# Altium PCB S3220A.PcbDoc (part 1 of 3) (continued)
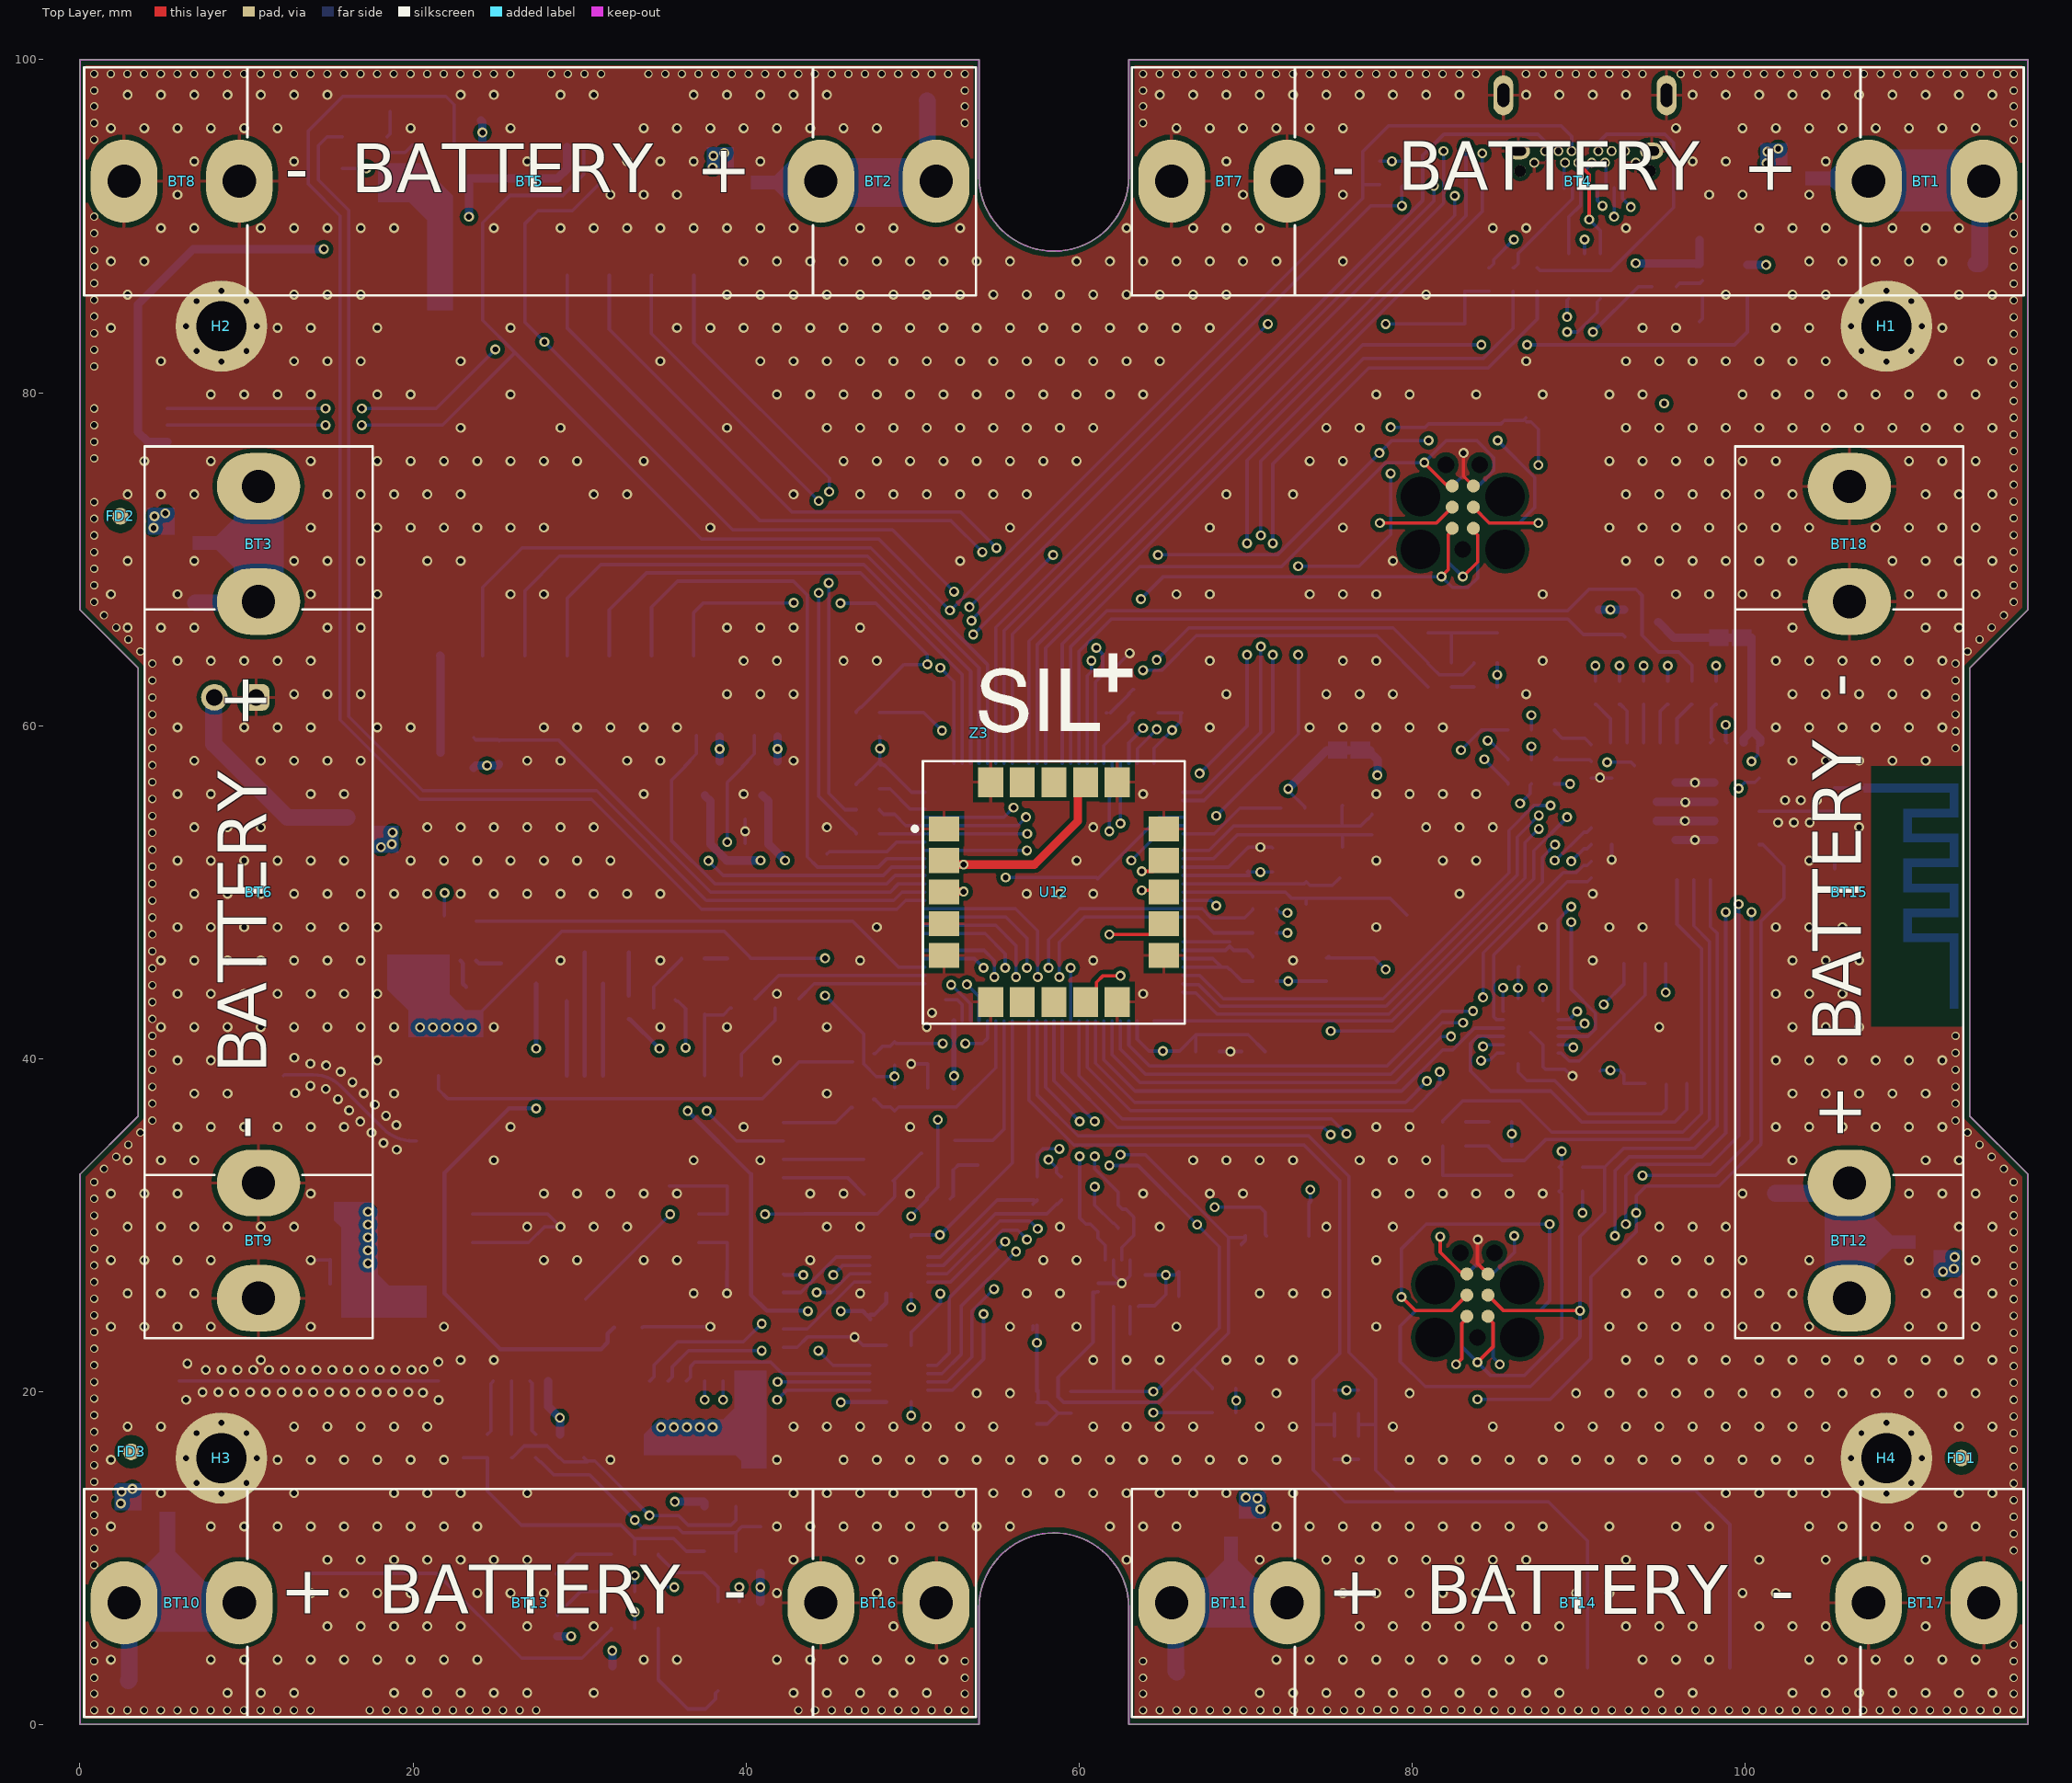
[diagram p0: Top Layer view]
## Classes and differential pairs
component class S3220A3: C29 C30 C31 C32 C33 C34 C35 C36 C37 C38 C39 C40 C41 C42 C43 C44 C45 C46 C47 C48 CN8 CN9 CN10 D2 D3 Q10 Q11 Q12 Q13 Q14 Q15 R30 R31 R32 R33 R34 R35 R36 R37 R38 R39 R40 R41 R42 R43 R44 R45 R46 R47 R48 R49 TP7 TP8 TP9 TP10 TP11 TP12 TP13 U5 U6 U7 U8 U9 U10
component class S3220A2: C11 C12 C13 C14 C15 C16 C17 C18 C19 C20 C21 C22 C23 C24 C25 C26 C27 C28 CN7 D1 FB1 M1 PB1 PB2 Q9 R13 R14 R15 R16 R17 R18 R19 R20 R21 R22 R23 R24 R25 R26 R27 R28 R29 TP4 TP5 TP6 U3 U4 Y1 Y2 Z1
component class S3220A4: AN1 C49 C50 C51 C52 C53 C54 C55 C56 C57 C58 C59 C60 C61 CN11 CN12 D4 FD1 FD2 FD3 H1 H2 H3 H4 MH1 P1 PB3 PB4 Q16 Q17 Q18 R50 R51 R52 R53 R54 R55 R56 R57 R58 R59 R60 R61 R62 R63 R64 R65 R66 R67 R68 R69 R70 R71 R72 R73 R74 U11 U12 U13 U14 U15 U16 U17 Z2 Z3 Z4
component class S3220A1: BT1 BT2 BT3 BT4 BT5 BT6 BT7 BT8 BT9 BT10 BT11 BT12 BT13 BT14 BT15 BT16 BT17 BT18 C1 C2 C3 C4 C5 C6 C7 C8 C9 C10 CN1 CN2 CN3 CN4 CN5 CN6 Q1 Q2 Q3 Q4 Q5 Q6 Q7 Q8 R1 R2 R3 R4 R5 R6 R7 R8 R9 R10 R11 R12 TP1 TP2 TP3 U1 U2

## Components (designator, comment, footprint, x,y, rotation, side; value= is the part's Value field where it differs from the comment)
AN1 "2.4GHz" AN_2400-PCB-B 107.425,56.25 r270 bottom locked
BT1 "AA clip" BT_AA-TH-CLIP 111.85,92.7 r180 top locked
BT2 "AA clip" BT_AA-TH-CLIP 48.925,92.7 r180 top locked
BT3 "AA clip" BT_AA-TH-CLIP 10.725,71.875 r270 top locked
BT4 "AA battery" BT_AA-battery 89.975,92.7 r180 top locked
BT5 "AA battery" BT_AA-battery 27,92.7 r180 top locked
BT6 "AA battery" BT_AA-battery 10.725,50 r270 top locked
BT7 "AA clip" BT_AA-TH-CLIP 68.075,92.7 r0 top locked
BT8 "AA clip" BT_AA-TH-CLIP 5.15,92.7 r0 top locked
BT9 "AA clip" BT_AA-TH-CLIP 10.725,28.1 r90 top locked
BT10 "AA clip" BT_AA-TH-CLIP 5.15,7.3 r0 top locked
BT11 "AA clip" BT_AA-TH-CLIP 68.075,7.3 r0 top locked
BT12 "AA clip" BT_AA-TH-CLIP 106.275,28.1 r90 top locked
BT13 "AA battery" BT_AA-battery 27.025,7.3 r0 top locked
BT14 "AA battery" BT_AA-battery 89.975,7.3 r0 top locked
BT15 "AA battery" BT_AA-battery 106.275,50 r90 top locked
BT16 "AA clip" BT_AA-TH-CLIP 48.925,7.3 r180 top locked
BT17 "AA clip" BT_AA-TH-CLIP 111.85,7.3 r180 top locked
BT18 "AA clip" BT_AA-TH-CLIP 106.275,71.875 r270 top locked
C1 "220uF_6.3V" C_1206 113.875,86.225 r90 bottom value=220uF
C2 "220uF_6.3V" C_1206 49.375,97.55 r0 bottom value=220uF
C3 "220uF_6.3V" C_1206 5.475,67.325 r0 bottom value=220uF
C4 "220uF_6.3V" C_1206 4.45,2.625 r180 bottom value=220uF
C5 "220uF_6.3V" C_1206 67.375,3.15 r180 bottom value=220uF
C6 "220uF_6.3V" C_1206 101.825,30.4 r90 bottom value=220uF
C7 "100nF_50V" C_0603 97.975,84.275 r180 bottom value=100nF
C8 "22uF_6.3V" C_0603 97.975,89.175 r180 bottom value=22uF
C9 "100nF_50V" C_0603 76.8,16.625 r90 bottom value=100nF
C10 "100nF_50V" C_0603 75.35,16.625 r90 bottom value=100nF
C11 "100nF_50V" C_0603 86.85,79.2 r270 bottom value=100nF
C12 "18pF_50V" C_0603 73.65,51.325 r270 bottom value=18pF
C13 "18pF_50V" C_0603 73.65,48.575 r90 bottom value=18pF
C14 "12pF_50V" C_0603 78.3,54.675 r180 bottom value=12pF
C15 "12pF_50V" C_0603 78.3,53.225 r180 bottom value=12pF
C16 "100nF_50V" C_0603 69.05,46.05 r270 bottom value=100nF
C17 "100nF_50V" C_0603 70.175,51.95 r270 bottom value=100nF
C18 "10uF_10V" C_0603 71.625,51.95 r270 bottom value=10uF
C19 "100nF_50V" C_0603 67.725,40.425 r180 bottom value=100nF
C20 "10uF_10V" C_0603 70.475,40.425 r0 bottom value=10uF
C21 "100nF_50V" C_0603 51.625,38.225 r0 bottom value=100nF
C22 "10uF_10V" C_0603 51.625,39.675 r0 bottom value=10uF
C23 "100nF_50V" C_0603 47.325,59.35 r0 bottom value=100nF
C24 "10uF_10V" C_0603 47.325,57.9 r0 bottom value=10uF
C25 "100nF_50V" C_0603 64.75,61.475 r270 bottom value=100nF
C26 "10uF_10V" C_0603 66.2,61.475 r270 bottom value=10uF
C27 "100nF_50V" C_0603 17.925,96.875 r0 bottom value=100nF
C28 "22uF_6.3V" C_0603 17.925,91.975 r0 bottom value=22uF
C29 "100nF_50V" C_0603 31.975,2.8 r90 bottom value=100nF
C30 "100nF_50V" C_0603 40.9,9.825 r270 bottom value=100nF
C31 "220uF_6.3V" C_1206 16.075,32.325 r270 bottom value=220uF
C32 "22uF_6.3V" C_0603 15.725,25.025 r0 bottom value=22uF
C33 "1uF_50V" C_0603 15.725,26.475 r180 bottom value=1uF
C34 "100nF_50V" C_0603 15.725,27.925 r0 bottom value=100nF
C35 "33pF_50V" C_0603 15.725,29.375 r0 bottom value=33pF
C36 "33pF_50V" C_0603 30.275,16.725 r270 bottom value=33pF
C37 "33pF_50V" C_0603 23.025,16.725 r270 bottom value=33pF
C38 "33pF_50V" C_0603 40.9,12.575 r270 bottom value=33pF
C39 "220uF_6.3V" C_1206 41.875,16.3 r180 bottom value=220uF
C40 "22uF_6.3V" C_0603 38.925,15.95 r90 bottom value=22uF
C41 "1uF_50V" C_0603 37.475,15.95 r270 bottom value=1uF
C42 "100nF_50V" C_0603 36.025,15.95 r90 bottom value=100nF
C43 "33pF_50V" C_0603 34.575,15.95 r90 bottom value=33pF
C44 "100nF_50V" C_0603 48.175,24.325 r0 bottom value=100nF
C45 "100nF_50V" C_0603 18.95,46.4 r90 bottom value=100nF
C46 "100nF_50V" C_0603 37.525,43.375 r270 bottom value=100nF
C47 "100nF_50V" C_0603 25.3,46.4 r270 bottom value=100nF
C48 "22uF_6.3V" C_0603 20.4,46.4 r270 bottom value=22uF
C49 "1.5pF_50V" C_0603 106.85,55.55 r90 bottom value=1.5pF
C50 "100nF_50V" C_0603 40.65,54.375 r0 bottom value=100nF
C51 "10uF_10V" C_0603 40.65,52.925 r0 bottom value=10uF
C52 "100nF_50V" C_0603 37.175,54.375 r0 bottom value=100nF
C53 "100nF_50V" C_0603 101.1,62.775 r180 bottom value=100nF
C54 "10uF_10V" C_0603 101.1,61.325 r180 bottom value=10uF
C55 "100nF_50V" C_0603 58.175,23.95 r0 bottom value=100nF
C56 "100nF_50V" C_0603 73.2,31.35 r0 bottom value=100nF
C57 "100nF_50V" C_0603 66.7,25.725 r0 bottom value=100nF
C58 "100nF_50V" C_0603 87.125,45.525 r0 bottom value=100nF
C59 "100nF_50V" C_0603 91.1,38.625 r90 bottom value=100nF
C60 "10uF_10V" C_0603 66.7,27.2 r180 bottom value=10uF
C61 "100nF_50V" C_0603 63.776,23.45 r0 bottom value=100nF
CN1 "S2B-XH" CN_S2B-XH-A 9.325,61.7 r180 bottom
CN2 "USB-C" CN_USB-C-RA_2 90.4,97.5 r0 bottom locked
CN3 "QWIIC" CN_SM04B-SRSS-TB 29.75,96.525 r180 bottom locked
CN4 "QWIIC" CN_SM04B-SRSS-TB 3.475,77.55 r270 bottom locked
CN5 "S2B-PH-SM4" CN_S2B-PH-SM4 100.1,6.1 r180 bottom locked
CN6 "S2B-PH-SM4" CN_S2B-PH-SM4 91.55,6.1 r180 bottom locked
CN7 "TC2030_MCP" CN_TC2030-MCP-NL 83.06,70.585 r90 bottom value=TC2030
CN8 "uFL" CN_RF_uFL 10.725,38.975 r270 bottom
CN9 "uFL" CN_RF_uFL 4.45,20.575 r270 bottom
CN10 "MicroSIM" CN_MicroSIM-Holder 28.675,7.875 r180 bottom locked
CN11 "uFL" CN_RF_uFL 105.4,49.9 r0 bottom
CN12 "TC2030_MCP" CN_TC2030-MCP-NL 83.935,23.25 r90 bottom value=TC2030
D1 "LED_Red" LED_0603 81.675,62.325 r180 bottom value=LED
D2 "TVS_15V" D_0603 26.7,42.475 r0 bottom value=TVS
D3 "LED_Red" LED_0603 39.575,46.025 r180 bottom value=LED
D4 "LED_Red" LED_0603 82.55,36.2 r180 bottom value=LED
FB1 "68R_1A" L_0603 71.15,44.65 r0 bottom value=68R
FD1 "Fiducial" FD_Fiducial 113,16 r90 top
FD2 "Fiducial" FD_Fiducial 2.425,72.575 r90 top
FD3 "Fiducial" FD_Fiducial 3.075,16.375 r0 top
H1 "3mm" H_3M_55M 108.5,84 r0 top locked
H2 "3mm" H_3M_55M 8.5,84 r0 top locked
H3 "3mm" H_3M_55M 8.5,16 r0 top
H4 "3mm" H_3M_55M 108.5,16 r0 top locked
M1 "M300_socket" M_M300_socket 13.89,62.715 r90 bottom locked value=M300
MH1 "WP11-15" MH_WP11-15 -11.5,0 r0 top locked
PB1 "SPST" PB_PTS810 83.075,79.2 r180 bottom
PB2 "SPST" PB_PTS810 83.05,66.65 r0 bottom
PB3 "SPST" PB_PTS810 83.925,31.9 r180 bottom
PB4 "SPST" PB_PTS810 83.925,19.225 r0 bottom
Q1 "PMV65XPEAR" U_SOT23-3 104.075,92.875 r90 bottom
Q2 "PMV65XPEAR" U_SOT23-3 40.8,92.625 r90 bottom
Q3 "PMV65XPEAR" U_SOT23-3 7.225,70.975 r90 bottom
Q4 "PMV65XPEAR" U_SOT23-3 15.975,54.475 r270 bottom
Q5 "PMV65XPEAR" U_SOT23-3 5.25,12.375 r90 bottom
Q6 "PMV65XPEAR" U_SOT23-3 69.125,10.825 r0 bottom
Q7 "PMV65XPEAR" U_SOT23-3 109.8,28.975 r270 bottom
Q8 "PMV65XPEAR" U_SOT23-3 23.375,92.875 r0 bottom
Q9 "PMV65XPEAR" U_SOT23-3 21.65,58.375 r270 bottom
Q10 "DTC143" Q_SOT-416 35.1,43.025 r270 bottom
Q11 "DTC143" Q_SOT-416 47.025,37.55 r90 bottom
Q12 "DTC143" Q_SOT-416 39.775,43.025 r270 bottom
Q13 "DTC143" Q_SOT-416 47.05,40.3 r90 bottom
Q14 "DTC143" Q_SOT-416 42.4,43.025 r270 bottom
Q15 "PMV65XPEAR" U_SOT23-3 50.55,34.3 r270 bottom
Q16 "PMV65XPEAR" U_SOT23-3 41,55.85 r0 bottom
Q17 "PMV65XPEAR" U_SOT23-3 37.525,55.85 r0 bottom
Q18 "PMV65XPEAR" U_SOT23-3 94.8,66.225 r90 bottom
R1 "0" R_0603 94.425,87.075 r270 bottom
R2 "68" R_0603 95.875,87.075 r270 bottom
R3 "1M" R_0603 74.875,45.35 r270 bottom
R4 "1M" R_0603 76.325,45.35 r90 bottom
R5 "1M" R_0603 23.375,96.35 r0 bottom
R6 "10k" R_0603 79.525,93.2 r90 bottom
R7 "10k" R_0603 78.075,93.2 r90 bottom
R8 "1M" R_0603 76.8,19.375 r90 bottom
R9 "1M" R_0603 75.35,19.375 r90 bottom
R10 "1M" R_0603 84.625,86.8 r90 bottom
R11 "68" R_0603 47.325,60.8 r180 bottom
R12 "1M" R_0603 83.175,86.8 r270 bottom
R13 "68" R_0603 86.475,56.5 r180 bottom
R14 "68" R_0603 86.475,59.75 r180 bottom
R15 "68" R_0603 86.475,57.95 r180 bottom
R16 "1k" R_0603 86.075,86.8 r270 bottom
R17 "1k" R_0603 87.525,86.8 r270 bottom
R18 "0" R_0603 47.325,56.45 r180 bottom
R19 "1k" R_0603 63.3,61.475 r270 bottom
R20 "0" R_0603 71.15,46.1 r180 bottom
R21 "10k" R_0603 61.85,61.475 r270 bottom
R22 "0" R_0603 72.875,55.05 r180 bottom
R23 "1M" R_0603 84.425,63.775 r180 bottom
R24 "68" R_0603 84.425,62.325 r0 bottom
R25 "1k" R_0603 81.675,63.775 r180 bottom
R26 "1M" R_0603 25.175,58.375 r270 bottom
R27 "68" R_0603 47.325,54.95 r0 bottom
R28 "68" R_0603 20.025,94.175 r90 bottom
R29 "68" R_0603 47.325,53.5 r0 bottom
R30 "0" R_0603 34.025,7.975 r180 bottom
R31 "0" R_0603 34.025,10.225 r180 bottom
R32 "0" R_0603 34.025,5.775 r180 bottom
R33 "0" R_0603 32.625,7.975 r180 bottom
R34 "0" R_0603 32.625,10.225 r180 bottom
R35 "22" R_0603 24.475,16.725 r270 bottom
R36 "22" R_0603 25.925,16.725 r270 bottom
R37 "0" R_0603 32.625,5.775 r180 bottom
R38 "22" R_0603 27.375,16.725 r270 bottom
R39 "15k" R_0603 28.825,16.725 r270 bottom
R40 "10k" R_0603 32.975,43.075 r90 bottom
R41 "68" R_0603 36.825,46.025 r0 bottom
R42 "0" R_0603 58.95,32.2 r90 bottom
R43 "0" R_0603 57.5,32.2 r90 bottom
R44 "10k" R_0603 48.925,37.55 r270 bottom
R45 "5k6" R_0603 51.575,31.575 r180 bottom
R46 "1M" R_0603 53.925,34.3 r270 bottom
R47 "10k" R_0603 48.925,40.3 r90 bottom
R48 "68" R_0603 22.5,44.3 r180 bottom
R49 "10k" R_0603 48.925,33.3 r90 bottom
R50 "0" R_0603 105.4,55.55 r270 bottom
R51 "0" R_0603 105.4,54.15 r270 bottom
R52 "1M" R_0603 41.2,59.4 r0 bottom
R53 "1M" R_0603 37.725,59.4 r0 bottom
R54 "68" R_0603 91.025,61.975 r270 bottom
R55 "68" R_0603 92.475,61.975 r270 bottom
R56 "1M" R_0603 91.075,66.175 r90 bottom
R57 "68" R_0603 93.925,61.975 r270 bottom
R58 "68" R_0603 95.375,61.975 r270 bottom
R59 "68" R_0603 96.825,61.975 r270 bottom
R60 "68" R_0603 98.275,61.975 r270 bottom
R61 "1M" R_0603 85.3,34.75 r180 bottom
R62 "68" R_0603 85.3,36.2 r0 bottom
R63 "0" R_0603 71.15,49 r180 bottom
R64 "0" R_0603 71.15,47.55 r180 bottom
R65 "1k" R_0603 82.55,34.75 r0 bottom
R66 "10k" R_0603 89.55,33.475 r180 bottom
R67 "100k" R_0603 89.55,32.025 r180 bottom
R68 "68" R_0603 87.875,56.5 r0 bottom
R69 "68" R_0603 87.875,59.75 r0 bottom
R70 "68" R_0603 87.875,57.95 r0 bottom
R71 "1M" R_0603 61.65,31.25 r0 bottom
R72 "10k" R_0603 68.725,18.725 r0 bottom
R73 "10k" R_0603 68.725,20.175 r0 bottom
R74 "1M" R_0603 61.65,29.8 r180 bottom
TP1 "Test point" TP_SMD_R1.0mm 95.15,79.35 r180 bottom
TP2 "Test point" TP_SMD_R1.0mm 78.425,45.35 r270 bottom
TP3 "Test point" TP_SMD_R1.0mm 83.175,84.125 r180 bottom
TP4 "Test point" TP_SMD_R1.0mm 43.675,54 r180 bottom
TP5 "Test point" TP_SMD_R1.0mm 44.875,52.45 r180 bottom
TP6 "Test point" TP_SMD_R1.0mm 70.4,55.05 r90 bottom
TP7 "Test point" TP_SMD_R1.0mm 32.975,46.375 r0 bottom
TP8 "Test point" TP_SMD_R1.0mm 27.4,44.5 r0 bottom
TP9 "Test point" TP_SMD_R1.0mm 29.225,43.425 r180 bottom
TP10 "Test point" TP_SMD_R1.0mm 30.325,46.4 r180 bottom
TP11 "Test point" TP_SMD_R1.0mm 31.425,44.5 r180 bottom
TP12 "Test point" TP_SMD_R1.0mm 47.075,34.05 r180 bottom
TP13 "Test point" TP_SMD_R1.0mm 47.075,31.85 r180 bottom
U1 "USBLC6" U_SOT23-6 90.375,87 r180 bottom
U2 "TPS22917" U_SOT23-6 98.8,86.725 r270 bottom
U3 "STM32L476VGT6" U_100-LQFP 58.5,50 r180 bottom locked
U4 "TPS22917" U_SOT23-6 17.1,94.425 r90 bottom
U5 "eSIM" U_MFF2 38.983,4.692 r90 bottom
U6 "SRV05-4HTG" U_SOT23-6 38.45,11.75 r0 bottom
U7 "BG95-M3" U_BG96_BG95 31.225,29.8 r270 bottom
U8 "TXB0104" U_14-VQFN 49.175,21.075 r0 bottom
U9 "TXB0104" U_14-VQFN 49.175,27.575 r0 bottom
U10 "TPS22917" U_SOT23-6 22.85,47.225 r0 bottom
U11 "NINA-B301" U_NINA-B301 95.925,54.85 r0 bottom
U12 "SAM-M8Q" U_SAM-M8Q 58.5,50 r0 top locked
U13 "M24C32" U_8-SOIC_3.9 71.9,26.7 r90 bottom
U14 "BME280" U_BME280 58.5,19.025 r0 bottom
U15 "MMA8452" U_16-QFN-5X3 62.575,26.5 r90 bottom
U16 "TS3A5018" U_16-VFQFN 87.125,41.575 r180 bottom
U17 "W25Q32" U_8-SOIC_5.3 94.625,42.1 r270 bottom
Y1 "8MHz" Y_ABMM2 77.875,49.65 r270 bottom
Y2 "32.768kHz" Y_XTAL-3215 75.825,53.95 r270 bottom
Z1 "I sense" Z_I_SENSE 76.225,58.525 r180 bottom
Z2 "I sense" Z_I_SENSE 99.125,65.275 r0 bottom
Z3 "SIL logo" Z_SIL-logo 54,59.55 r0 top
Z4 "SIL logo" Z_SIL-logo 71.975,34.925 r180 bottom

## Footprints (in the part's own frame and the unit in brackets; to place one, negate y for a bottom-side part, rotate by r counter-clockwise, add the part's x,y. Pads: shape width x height; smd on the part's side, far side on the other; paste and mask are expansions set on the pad)
AN_2400-PCB-B [mm]
  round 0.5 smd mask+0: 1(0,0)
  Top Layer region: 1.75,-5.4 -0.25,-5.4 -0.25,0.275 0.25,0.275 0.25,-4.9 1.25,-4.9 1.25,-2.1 3.25,-2.1 3.25,-4.9 4.25,-4.9 4.25,-2.1 6.25,-2.1 6.25,-4.9 7.25,-4.9 7.25,-2.1 9.25,-2.1 9.25,-4.9 13.25,-4.9 13.25,-5.4 8.75,-5.4 8.75,-2.6 7.75,-2.6 7.75,-5.4 5.75,-5.4 5.75,-2.6 4.75,-2.6 4.75,-5.4 2.75,-5.4 2.75,-2.6 1.75,-2.6
  Multi-Layer pour cut-out: -1.325,-5.55 14.35,-5.55 14.35,-0.15 -1.325,-0.15
  silkscreen extent -1.05,-5.3 14.05,-0.45
BT_AA-battery [mm] "AA battery"
  body extent -25.14,-7.11 25.15,7.11, height 15.11
BT_AA-TH-CLIP [mm] "AA battery clip through hole"
  oval 4x5 hole 2: 1(-2.5,0) 1(4.425,0)
  silkscreen extent -4.9,-6.85 48.68,6.85, body extent -4.77,-6.73 4.76,6.73, height 15.13
C_0603 [mm]
  rect 0.7x0.8 smd: 1(-0.7,0) 2(0.7,0)
  silkscreen extent -1.22,-0.58 1.22,0.58, body extent -0.8,-0.43 0.8,0.43, height 0.8
C_1206 [mm]
  rect 1.1x1.6 smd: 1(-1.5,0) 2(1.5,0)
  silkscreen extent -0.77,-0.87 0.77,0.87, body extent -1.6,-0.85 1.6,0.85, height 1.7
CN_MicroSIM-Holder [mm] "CONN MICRO SIM CARD"
  rect 0.95x1.2 smd: 0(-0.125,-5.425) 0(-0.125,5.425)
  rect 1.4x0.95 smd: 0(13.075,-6.25) 0(13.075,6.25)
  rect 0.8x0.9 smd: C1(0,-2.575) C2(0,-1.325) C3(0,1.2) C5(14.95,-2.575) C6(14.95,-1.325) C7(14.95,1.2)
  silkscreen extent -1.88,-7.05 15.33,7.05, body extent -1.75,-6.92 15.21,6.93, height 1.5
CN_RF_uFL [mm] "Antenna connector 50 Ohm"
  rect 1x2.2 smd: G(-1.45,0) G(1.45,0)
  rect 1x1 smd: S(0,-1.5)
  Top Layer pour cut-out: -0.95,1.55 -0.95,-1.55 0.95,-1.55 0.95,1.55
  silkscreen extent -1.5,-1.55 1.5,1.55, body extent -1.5,-1.55 1.5,1.55, height 1.25
CN_S2B-PH-SM4 [mm] "HEADER PH SIDE 2POS 2MM"
  rect 1.5x3.4 smd: 0(-3.35,2.7) 0(3.35,2.7)
  rect 1.2x3.6 smd: 1(1,-2.7) 2(-1,-2.7)
  silkscreen extent -3.95,-4.67 3.95,4.4, body extent -3.95,-4.35 3.95,4.25, height 5.61
CN_S2B-XH-A [mm] "CONN HEADER XH SIDE 2POS 2.5MM"
  rrect50% 1.6x1.6 hole 1: 1(-1.25,0)
  round 1.6 hole 1: 2(1.25,0)
  silkscreen extent -3.85,-9.33 3.85,2.5, body extent -3.7,-9.15 3.7,2.35, height 5.95
CN_SM04B-SRSS-TB [mm] "HEADER SH SIDE 4POS 1.0MM"
  rect 1.2x1.8 smd: 0(-2.8,2.1) 0(2.8,2.1)
  rect 0.6x1.55 smd: 1(1.5,-1.775) 2(0.5,-1.775) 3(-0.5,-1.775) 4(-1.5,-1.775)
  silkscreen extent -3.13,-2.27 3.13,2.93, body extent -3,-2.15 3,2.8, height 3.25
CN_TC2030-MCP-NL [mm] "TC2030-MCP-NL with holes for clips"
  round 0 hole 2.375 unplated: 0(0,-2.54) 0(0,2.54) 0(3.175,-2.54) 0(3.175,2.54)
  round 0 hole 1 unplated: 0(0,0) 0(5.08,-1.016) 0(5.08,1.016)
  round 0.787 smd paste-0.4: 1(1.27,-0.635) 2(1.27,0.635) 3(2.54,-0.635) 4(2.54,0.635) 5(3.81,-0.635)
  round 0.787 smd far side paste-0.4: 1(1.27,0.635) 2(1.27,-0.635) 3(2.54,0.635) 4(2.54,-0.635) 5(3.81,0.635)
  round 0.787 smd far side paste-0.4 mask+0.102: 6(3.81,-0.635)
  round 0.787 smd paste-0.4 mask+0.102: 6(3.81,0.635)
CN_USB-C-RA_2 [mm] "USB - C USB 3.1"
  rect 0.35x0.85 smd: A1(-2.752,5.21) A2(-2.252,5.21) A3(-1.752,5.21) A4(-1.252,5.21) A5(-0.752,5.21) A6(-0.252,5.21) A7(0.248,5.21) A8(0.748,5.21) A9(1.248,5.21) A10(1.748,5.21) A11(2.248,5.21) A12(2.748,5.21)
  round 0.6 hole 0.4: B1(3.048,3.685) B2(2.398,2.985) B3(1.598,2.985) B4(1.198,3.685) B5(0.798,2.985) B6(0.398,3.685) B7(-0.402,3.685) B8(-0.802,2.985) B9(-1.202,3.685) B10(-1.602,2.985) B11(-2.402,2.985) B12(-3.052,3.685)
  oval 1.2x2.4 hole 0.7 slot 1.4 at 90 deg: S1(-4.902,-0.365) S2(4.898,-0.365)
  oval 1.5x3 on Bottom Paste: S1(-4.902,-0.365) S2(4.898,-0.365)
  oval 1.4x1 hole 0.55 slot 0.9 at 0 deg: S3(-4.002,2.985) S4(3.998,2.985)
  oval 1.5x1.1 on Bottom Paste: S3(-4.002,2.985) S4(3.998,2.985)
  round 0.7 hole 0.7 unplated: ""(-3.902,4.185) ""(3.898,4.185)
  silkscreen extent -5.05,-2.06 5.05,4.89, body extent -5.05,-4.85 5.05,5.35, height 4.29
D_0603 [mm]
  rect 0.7x0.8 smd: 1(-0.7,0) 2(0.7,0)
  silkscreen extent -1.22,-0.58 1.22,0.58, body extent -0.9,-0.5 0.9,0.5, height 0.85
FD_Fiducial [mm] "Fiducial - reference point"
  round 1 smd paste-10 mask+0.5: 0(0,0)
  round 1 smd far side paste-10 mask+0.5: 0(0,0)
  Top Layer pour cut-out: 0,-1 -0.383,-0.924 -0.707,-0.707 -0.924,-0.383 -1,0 -1,0 -0.924,0.383 -0.707,0.707 -0.383,0.924 0,1 0,1 0.383,0.924 0.707,0.707 0.924,0.383 1,0 1,0 0.924,-0.383 0.707,-0.707 0.383,-0.924 0,-1
  Bottom Layer pour cut-out: 0,-1 -0.383,-0.924 -0.707,-0.707 -0.924,-0.383 -1,0 -1,0 -0.924,0.383 -0.707,0.707 -0.383,0.924 0,1 0,1 0.383,0.924 0.707,0.707 0.924,0.383 1,0 1,0 0.924,-0.383 0.707,-0.707 0.383,-0.924 0,-1
H_3M_55M [mm] "Hole 3mm, Pad 5.5mm"
  round 5.5 hole 3: 0(0,0)
  round 0.6 hole 0.35: ""(-2.125,0) ""(-1.5,-1.5) ""(-1.5,1.5) ""(0,-2.125) ""(0,2.125) ""(1.5,-1.5) ""(1.5,1.5) ""(2.125,0)
L_0603 [mm]
  rect 0.7x0.8 smd: 1(-0.7,0) 2(0.7,0)
  silkscreen extent -1.22,-0.58 1.22,0.58, body extent -0.8,-0.48 0.8,0.47, height 0.8
LED_0603 [mm]
  rect 0.7x0.8 smd: 1(-0.7,0) 2(0.7,0)
  silkscreen extent -1.22,-0.58 1.22,0.58, body extent -0.9,-0.5 0.9,0.5, height 0.85
M_M300_socket [mm] "Module M300 motherboard socket"
  rect 4.2x1.5 smd: 1(24.335,5.205) 2(24.335,7.745) 3(24.335,10.285) 4(24.335,12.825) 5(24.335,15.365) 6(24.335,17.905) 7(24.335,20.445) 8(24.335,22.985) 9(1.475,22.98) 10(1.475,20.445) 11(1.475,17.905) 12(1.475,15.365) 13(1.475,12.825) 14(1.475,10.285) 15(1.475,7.745) 16(1.475,5.205)
  silkscreen extent 0.2,0.2 25.6,60.2
MH_WP11-15 [mm] "Case Takachi WP11-15 Bottom"
PB_PTS810 [mm] "Tactile Switch SPST"
  rect 1.05x0.65 smd paste-0.025 mask+0.07: 1(-2.075,1.075) 1(2.075,1.075) 2(-2.075,-1.075) 2(2.075,-1.075)
  silkscreen extent -2.4,-1.7 2.37,1.7, body extent -2.3,-1.6 2.27,1.6, height 2.5
Q_SOT-416 [mm]
  rect 0.356x0.508 smd paste+0 mask+0.05: 1(-0.5,-0.65)
  rect 0.356x0.508 smd mask+0.05: 2(0.5,-0.65) 3(0,0.65)
  silkscreen extent -0.87,-0.87 0.87,0.87, body extent -0.8,-0.8 0.8,0.8, height 0.79
R_0603 [mm]
  rect 0.7x0.8 smd: 1(-0.7,0) 2(0.7,0)
  silkscreen extent -1.22,-0.58 1.22,0.58, body extent -0.8,-0.4 0.8,0.4, height 0.4
TP_SMD_R1.0mm [mm] "Test point SMD"
  round 1 smd paste-5: 1(0,0)
  silkscreen extent -0.6,-0.6 0.6,0.6
U_8-SOIC_3.9 [mm] "SOIC, 8-Leads, Body 4.9x3.9mm, Pitch 1.27mm, IPC Low Density"
  rrect50% 2.1x0.7 smd: 1(-2.65,1.905)
  rect 2.1x0.7 smd: 2(-2.65,0.635) 3(-2.65,-0.635) 4(-2.65,-1.905) 5(2.65,-1.905) 6(2.65,-0.635) 7(2.65,0.635) 8(2.65,1.905)
  silkscreen extent -1.2,-2.58 1.2,2.58, body extent -3,-2.45 3,2.45, height 1.63
U_8-SOIC_5.3 [mm] "SOIC, 8-Leads, Body 4.9x5.3mm, Pitch 1.27mm, IPC Low Density"
  rrect50% 2.1x0.7 smd: 1(-3.6,1.9)
  rect 2.1x0.7 smd: 2(-3.6,0.625) 3(-3.6,-0.625) 4(-3.6,-1.9) 5(3.6,-1.9) 6(3.6,-0.625) 7(3.6,0.625) 8(3.6,1.9)
  silkscreen extent -2.27,-2.5 2.27,2.5, body extent -3.95,-2.65 3.95,2.65, height 1.95
U_14-VQFN [mm] "14-VQFN 3.5x3.5"
  rect 2.14x2.14 smd paste-1.07 mask+0.07: 0(0.002,-0.001)
  oval 0.28x0.8 smd mask+0.07: 1(-0.75,1.7) 7(-0.75,-1.7) 8(0.75,-1.7) 14(0.75,1.7)
  oval 0.8x0.28 smd mask+0.07: 2(-1.75,1) 3(-1.748,0.499) 4(-1.748,-0.001) 5(-1.748,-0.501) 6(-1.748,-1.001) 9(1.752,-1.001) 10(1.752,-0.501) 11(1.752,-0.001) 12(1.752,0.499) 13(1.75,1)
  silkscreen extent -2.72,-2 2,2, body extent -1.88,-1.88 1.88,1.88, height 1
U_16-QFN-5X3 [mm] "16-QFN 5X3 3x3mm"
  rrect50% 1x0.3 smd: 1(-1.4,1.001) 2(-1.4,0.501) 3(-1.4,0.001) 4(-1.4,-0.499) 5(-1.4,-1) 9(1.4,-1) 10(1.4,-0.5) 11(1.4,0) 12(1.4,0.5) 13(1.4,1.001)
  rrect50% 0.3x1 smd: 6(-0.5,-1.4) 7(0,-1.4) 8(0.5,-1.4) 14(0.499,1.4) 15(-0.001,1.4) 16(-0.501,1.4)
  silkscreen extent -2.2,-1.63 1.63,1.63, body extent -1.5,-1.5 1.5,1.5, height 1.05
U_16-VFQFN [mm] "16-VQFN (4x4)"
  oval 0.24x0.6 smd paste+0 mask+0.051: 1(-0.756,1.908) 8(-0.756,-1.892) 9(0.744,-1.892) 16(0.744,1.908)
  oval 0.6x0.24 smd paste+0 mask+0.051: 2(-1.656,1.258) 3(-1.656,0.758) 4(-1.656,0.258) 5(-1.656,-0.242) 6(-1.656,-0.742) 7(-1.656,-1.242) 10(1.644,-1.242) 11(1.644,-0.742) 12(1.644,-0.242) 13(1.644,0.258) 14(1.644,0.758) 15(1.644,1.258)
  rect 2.05x2.55 smd paste-1.025 mask+0.051: 17(0,0)
  silkscreen extent -1.88,-2.12 1.88,2.55, body extent -1.75,-2 1.75,2, height 1
U_100-LQFP [mm] "100-LQFP"
  rect 1.475x0.3 smd: 1(-7.738,6) 2(-7.738,5.5) 3(-7.738,5) 4(-7.738,4.5) 5(-7.738,4) 6(-7.738,3.5) 7(-7.738,3) 8(-7.738,2.5) 9(-7.738,2) 10(-7.738,1.5) 11(-7.738,1) 12(-7.738,0.5) 13(-7.738,0) 14(-7.738,-0.5) 15(-7.738,-1) 16(-7.738,-1.5) 17(-7.738,-2) 18(-7.738,-2.5) 19(-7.738,-3) 20(-7.738,-3.5) 21(-7.738,-4) 22(-7.738,-4.5) 23(-7.738,-5) 24(-7.738,-5.5) 25(-7.738,-6) 51(7.738,-6) 52(7.738,-5.5) 53(7.738,-5) 54(7.738,-4.5) 55(7.738,-4) 56(7.738,-3.5) 57(7.738,-3) 58(7.738,-2.5) 59(7.738,-2) 60(7.738,-1.5) 61(7.738,-1) 62(7.738,-0.5) 63(7.738,0) 64(7.738,0.5) 65(7.738,1) 66(7.738,1.5) 67(7.738,2) 68(7.738,2.5) 69(7.738,3) 70(7.738,3.5) 71(7.738,4) 72(7.738,4.5) 73(7.738,5) 74(7.738,5.5) 75(7.738,6)
  rect 0.3x1.475 smd: 26(-6,-7.738) 27(-5.5,-7.738) 28(-5,-7.738) 29(-4.5,-7.738) 30(-4,-7.738) 31(-3.5,-7.738) 32(-3,-7.738) 33(-2.5,-7.738) 34(-2,-7.738) 35(-1.5,-7.738) 36(-1,-7.738) 37(-0.5,-7.738) 38(0,-7.738) 39(0.5,-7.738) 40(1,-7.738) 41(1.5,-7.738) 42(2,-7.738) 43(2.5,-7.738) 44(3,-7.738) 45(3.5,-7.738) 46(4,-7.738) 47(4.5,-7.738) 48(5,-7.738) 49(5.5,-7.738) 50(6,-7.738) 76(6,7.738) 77(5.5,7.738) 78(5,7.738) 79(4.5,7.738) 80(4,7.738) 81(3.5,7.738) 82(3,7.738) 83(2.5,7.738) 84(2,7.738) 85(1.5,7.738) 86(1,7.738) 87(0.5,7.738) 88(0,7.738) 89(-0.5,7.738) 90(-1,7.738) 91(-1.5,7.738) 92(-2,7.738) 93(-2.5,7.738) 94(-3,7.738) 95(-3.5,7.738) 96(-4,7.738) 97(-4.5,7.738) 98(-5,7.738) 99(-5.5,7.738) 100(-6,7.738)
  silkscreen extent -7.84,-6.65 6.65,6.73, body extent -8.07,-8.07 8.07,8.07, height 1.62
U_BG96_BG95 [mm]
  rect 1.15x0.7 smd mask+0.05: 1(-9.175,9.7) 2(-9.175,8.6) 3(-9.175,7.5) 4(-9.175,6.4) 5(-9.175,5.3) 6(-9.175,4.2) 7(-9.175,3.1) 8(-9.175,2) 9(-9.175,0.9) 10(-9.175,-0.2) 11(-9.175,-1.9) 12(-9.175,-3) 13(-9.175,-4.1) 14(-9.175,-5.2) 15(-9.175,-6.3) 16(-9.175,-7.4) 17(-9.175,-8.5) 18(-9.175,-9.6) 32(9.175,-9.6) 33(9.175,-8.5) 34(9.175,-7.4) 35(9.175,-6.3) 36(9.175,-5.2) 37(9.175,-4.1) 38(9.175,-3) 39(9.175,-1.9) 40(9.175,-0.2) 41(9.175,0.9) 42(9.175,2) 43(9.175,3.1) 44(9.175,4.2) 45(9.175,5.3) 46(9.175,6.4) 47(9.175,7.5) 48(9.175,8.6) 49(9.175,9.7)
  rect 0.7x1.15 smd mask+0.05: 19(-7.45,-11.025) 20(-6.35,-11.025) 21(-5.25,-11.025) 22(-4.15,-11.025) 23(-3.05,-11.025) 24(-1.95,-11.025) 25(0.55,-11.025) 26(1.65,-11.025) 27(2.75,-11.025) 28(3.85,-11.025) 29(4.95,-11.025) 30(6.05,-11.025) 31(7.15,-11.025) 50(7.15,11.025) 51(6.05,11.025) 52(4.95,11.025) 53(3.85,11.025) 54(2.75,11.025) 55(1.65,11.025) 56(0.55,11.025) 57(-1.95,11.025) 58(-3.05,11.025) 59(-4.15,11.025) 60(-5.25,11.025) 61(-6.35,11.025) 62(-7.45,11.025)
  rect 1x1 smd mask+0.05: 63(-5.95,4.25) 64(-5.95,2.55) 65(-5.95,0.85) 66(-5.95,-0.85) 67(-5.95,-2.55) 68(-5.95,-4.25) 69(-2.55,-7.65) 70(-0.85,-7.65) 71(0.85,-7.65) 72(2.55,-7.65) 73(5.95,-4.25) 74(5.95,-2.55) 75(5.95,-0.85) 76(5.95,0.85) 77(5.95,2.55) 78(5.95,4.25) 79(2.55,7.65) 80(0.85,7.65) 81(-0.85,7.65) 82(-2.55,7.65) 83(-4.25,4.25) 84(-4.25,2.55) 85(-4.25,0.85) 86(-4.25,-0.85) 87(-4.25,-2.55) 88(-4.25,-4.25) 89(-2.55,-5.95) 90(-0.85,-5.95) 91(0.85,-5.95) 92(2.55,-5.95) 93(4.25,-4.25) 94(4.25,-2.55) 95(4.25,-0.85) 96(4.25,0.85) 97(4.25,2.55) 98(4.25,4.25) 99(2.55,5.95) 100(0.85,5.95) 101(-0.85,5.95) 102(-2.55,5.95)
  silkscreen extent -11.37,-13.37 11.37,13.37, body extent -11.25,-13.25 11.25,13.25, height 3.98
U_BME280 [mm] "SENSOR PRESSURE HUMIDITY TEMP"
  rect 0.5x0.35 smd: 1(1.025,0.975) 2(1.025,0.325) 3(1.025,-0.325) 4(1.025,-0.975) 5(-1.025,-0.975) 6(-1.025,-0.325) 7(-1.025,0.325) 8(-1.025,0.975)
  silkscreen extent -1.4,-1.27 1.4,1.3, body extent -1.25,-1.25 1.25,1.25, height 0.92
U_MFF2 [mm] "M2M embedded SIM card IC"
  rect 0.96x0.5 smd: C1(2.683,1.882) C2(2.683,0.612) C3(2.683,-0.658) C4(2.683,-1.928) C5(-2.667,1.882) C6(-2.667,0.612) C7(-2.667,-0.658) C8(-2.667,-1.928)
  rect 1.5x0.7 smd: NC(-0.942,-0.658) NC(-0.942,0.612) NC(0.958,-0.658) NC(0.958,0.612)
  rect 1.5x0.35 smd: NC(-0.942,-1.753) NC(-0.942,1.707) NC(0.958,-1.753) NC(0.958,1.707)
  silkscreen extent -3.67,-2.6 3.1,2.6, body extent -3,-2.5 3,2.5, height 0.82
U_NINA-B301 [mm] "Stand-alone Bluetooth low energy module"
  rrect10% 0.7x1.15 smd paste+0 mask+0.05: 1(-4,-4.125) 2(-3,-4.125) 3(-2,-4.125) 4(-1,-4.125) 5(0,-4.125) 6(1,-4.125) 7(2,-4.125) 8(3,-4.125) 9(4,-4.125) 10(5,-4.125) 16(5,4.125) 17(4,4.125) 18(3,4.125) 19(2,4.125) 20(1,4.125) 21(0,4.125) 22(-1,4.125) 23(-2,4.125) 24(-3,4.125) 25(-4,4.125)
  rrect10% 1.15x0.7 smd paste+0 mask+0.05: 11(4.925,-2) 12(4.925,-1) 13(4.925,0) 14(4.925,1) 15(4.925,2) 26(-3.925,2) 27(-3.925,1) 28(-3.925,0) 29(-3.925,-1) 30(-3.925,-2)
  rect 0.7x0.7 smd paste+0 mask+0.05: 31(-2.55,-2.75) 32(-1.45,-2.75) 33(-0.35,-2.75) 34(0.75,-2.75) 35(1.85,-2.75) 36(2.95,-2.75) 37(2.95,2.75) 38(1.85,2.75) 39(0.75,2.75) 40(-0.35,2.75) 41(-1.45,2.75) 42(-2.55,2.75) 43(-2.55,1.65) 44(-2.55,0.55) 45(-2.55,-0.55) 46(-2.55,-1.65) 47(-5.15,4) 48(-5.15,3) 49(-5.15,2) 50(-5.15,1) 51(-5.15,0) 52(-5.15,-1) 53(-5.15,-2) 54(-5.15,-3) 55(-5.15,-4) 56(-0.075,1.725) 57(2.225,1.725) 58(-1.225,0.575) 59(-0.075,0.575) 60(1.075,0.575) 61(2.225,0.575) 62(-1.225,-0.575) 63(-0.075,-0.575) 64(1.075,-0.575) 65(2.225,-0.575) 66(-0.075,-1.725) 67(2.225,-1.725)
  silkscreen extent -5.93,-5.62 5.92,5.13, body extent -5.8,-5 5.8,5, height 2.35
U_SAM-M8Q [mm] "ublox SAM antenna module"
  rect 1.8x1.5 smd paste-1.8: 1(-6.6,3.8) 2(-6.6,1.9) 3(-6.6,0) 4(-6.6,-1.9) 5(-6.6,-3.8) 11(6.6,-3.8) 12(6.6,-1.9) 13(6.6,0) 14(6.6,1.9) 15(6.6,3.8)
  rect 1.5x1.8 smd paste-1.8: 6(-3.8,-6.6) 7(-1.9,-6.6) 8(0,-6.6) 9(1.9,-6.6) 10(3.8,-6.6) 16(3.8,6.6) 17(1.9,6.6) 18(0,6.6) 19(-1.9,6.6) 20(-3.8,6.6)
  silkscreen extent -8.48,-7.9 7.87,7.87, body extent -7.75,-7.77 7.74,7.74, height 6.8
U_SOT23-3 [mm]
  rect 0.8x0.9 smd paste+0 mask+0.05: 1(-0.9,-2)
  rect 0.8x0.9 smd mask+0.05: 2(0.9,-2) 3(0,0)
  silkscreen extent -1.58,-1.7 1.58,-0.3, body extent -1.46,-2.17 1.46,0.17, height 1
U_SOT23-6 [mm] "SOT23-6"
  rect 0.6x1.05 smd: 1(-0.95,-1.35) 2(0,-1.35) 3(0.95,-1.35) 4(0.95,1.35) 5(0,1.35) 6(-0.95,1.35)
  silkscreen extent -2,-2.05 1.58,2.05, body extent -1.46,-1.17 1.46,1.17, height 1
Y_ABMM2 [mm] "8MHz ±20ppm Crystal 18pF 72 Ohms 4-SMD, No Lead"
  rect 1.4x1.8 smd: 1(-1.2,2.2) 2(-1.2,-2.2) 3(1.2,-2.2) 4(1.2,2.2)
  silkscreen extent -2.5,-3.35 2.15,3.65, body extent -1.8,-3 1.8,3, height 1.2
Y_XTAL-3215 [mm]
  rect 1x1.8 smd: 1(-1.25,0) 2(1.25,0)
  silkscreen extent -0.6,-0.75 0.6,0.75, body extent -1.6,-0.75 1.6,0.75, height 0.81
Z_I_SENSE [mm]
  round 1 smd paste-5: 1(-1.275,0) 2(1.275,0)
  Top Layer region: 1.275,-0.5 0.1,-0.5 0.1,0.5 1.275,0.5
  Top Layer region: -1.275,0.5 -0.1,0.5 -0.1,-0.5 -1.275,-0.5
  silkscreen extent -1.88,-0.6 1.87,1.05
Z_SIL-logo [mm]
  silkscreen extent 0.02,0.02 9.2,4.77